# Altium PCB AMS_A2_Sample.PcbDoc (part 2 of 2) (continued)
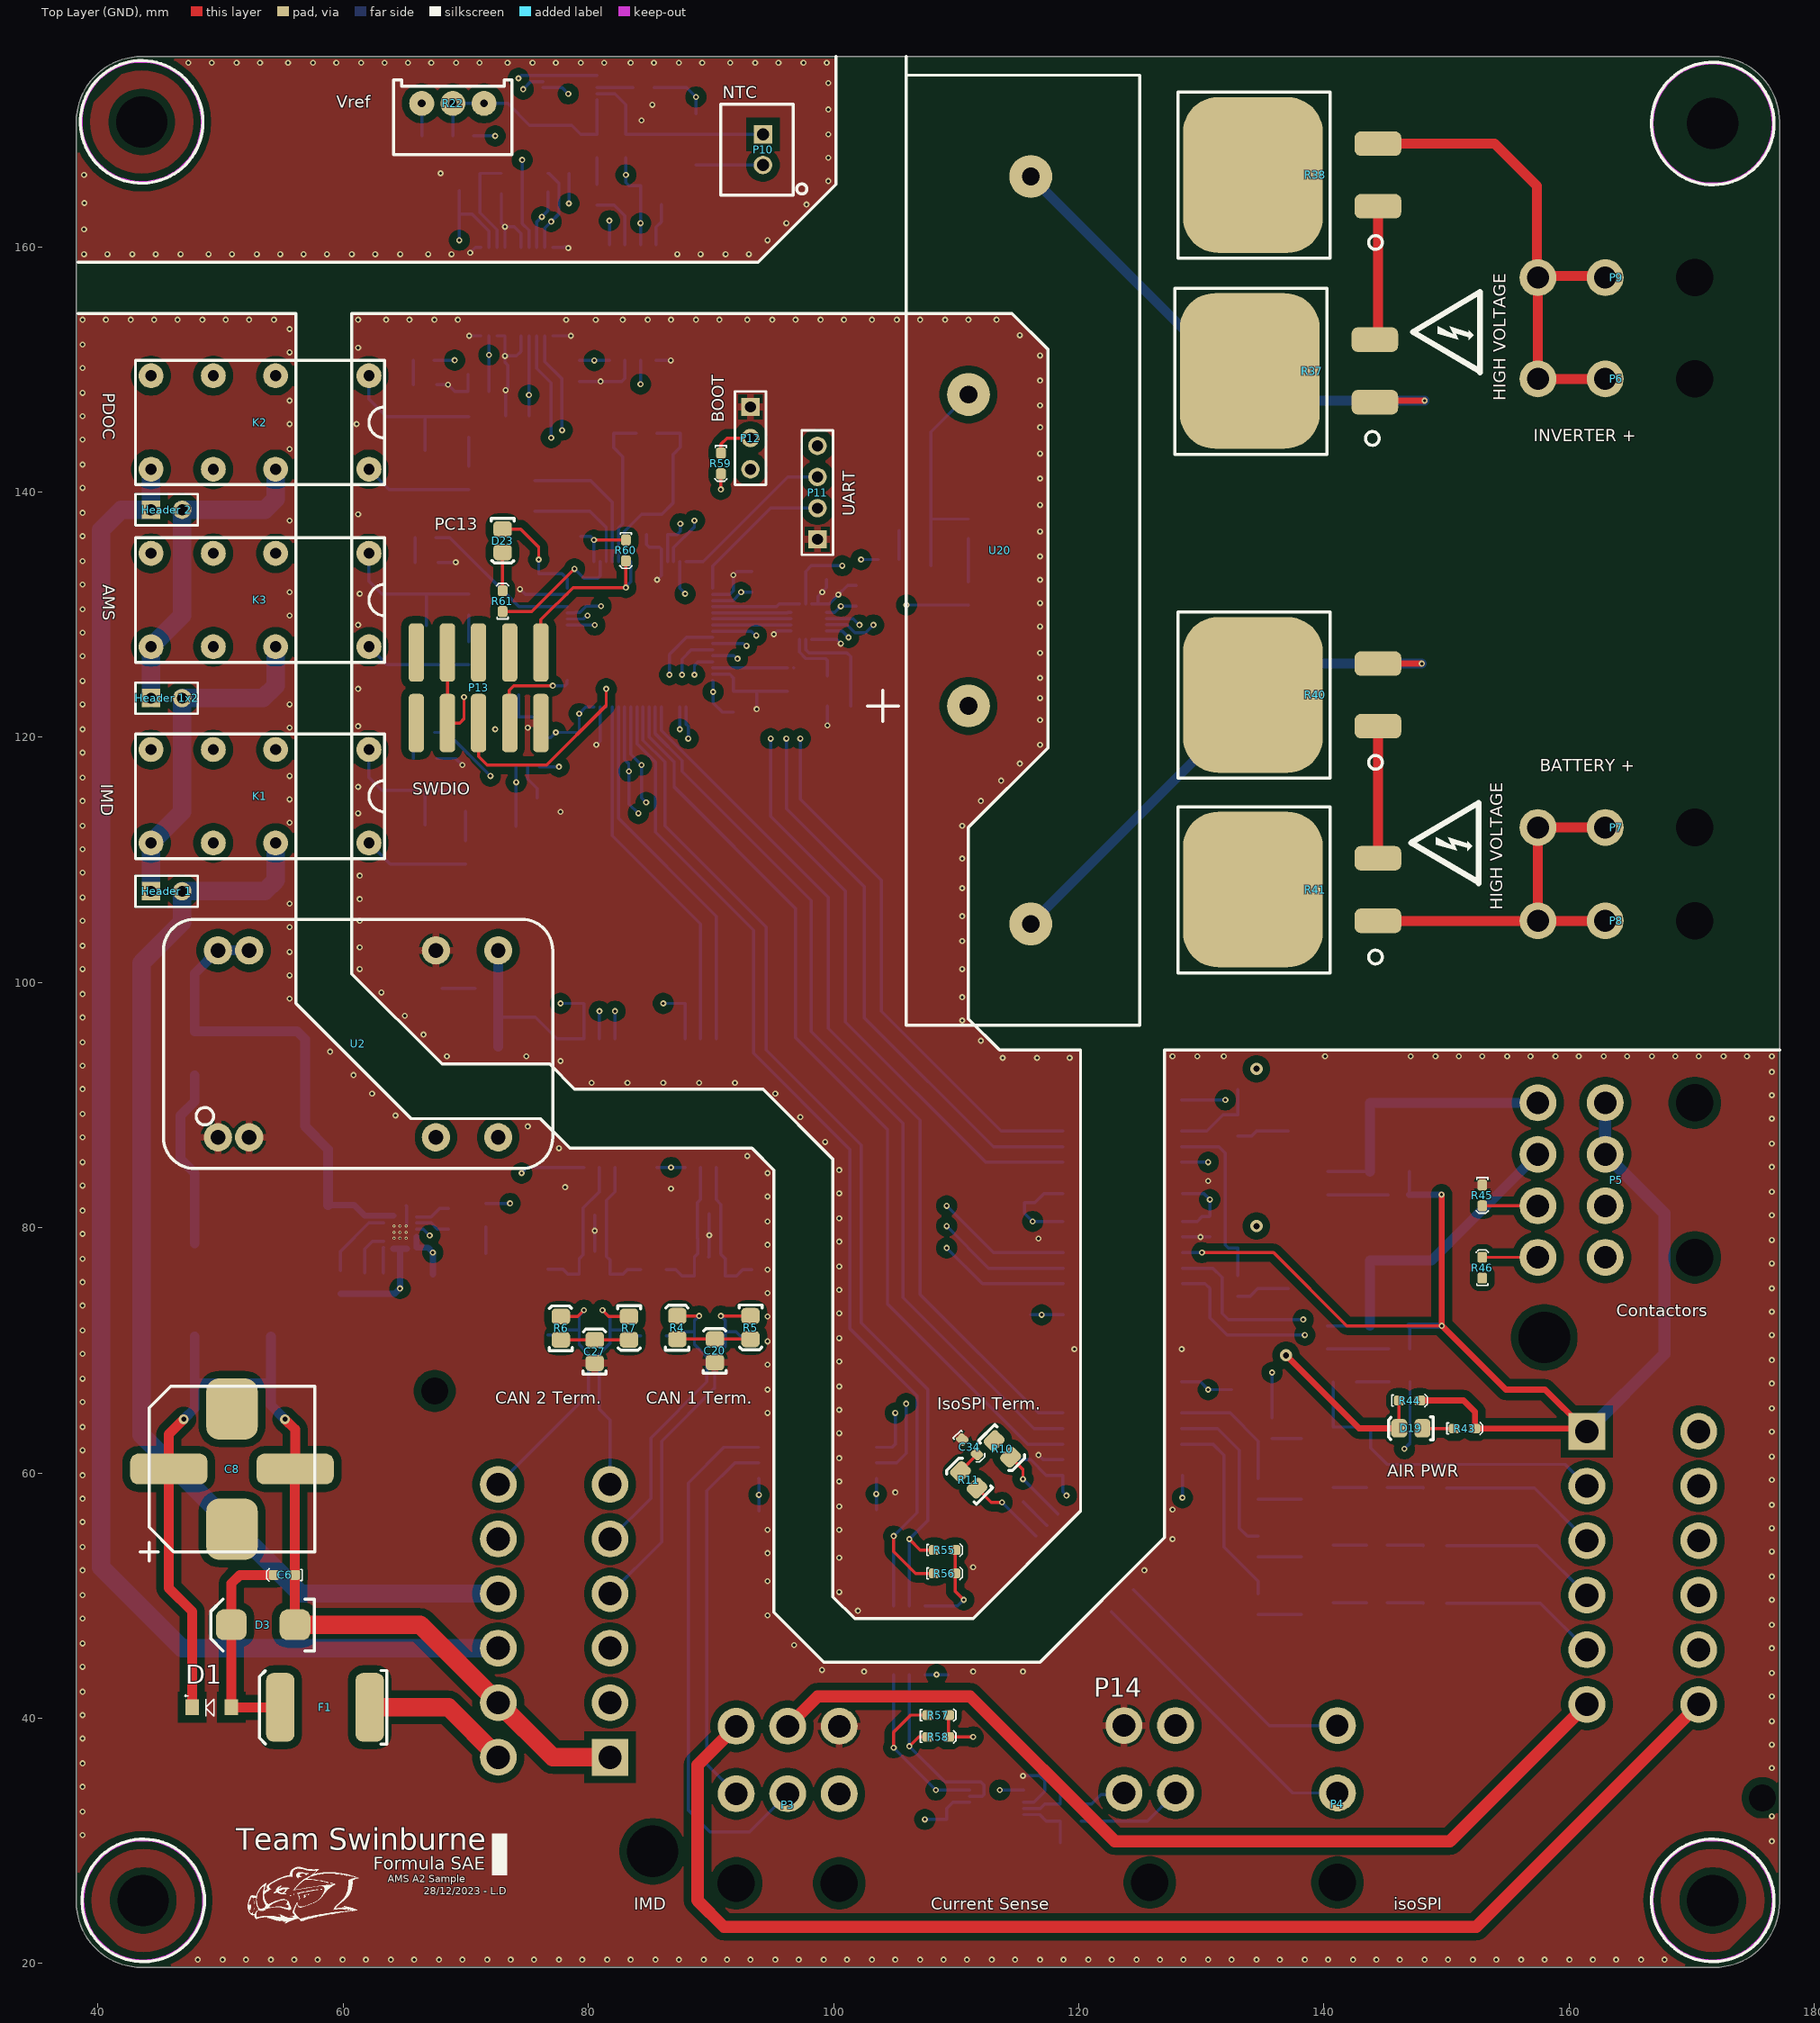
[diagram p0: Top Layer (GND) view]
## Nets (pads, with @x,y where several pads share a name; then routed paths per layer and width w, separated by ;. In a path a pad name is that pad's centre, name@x,y a point inside that pad or via, vN(x,y) a via of type N, cw(c..) or ccw(c..) an arc to the next point about the centre after c; other vN are vias at no path point) (continued)
I2C3_SCL: R56.1 U24.6 U25.41 | length 88.9
  Top Layer (GND) w0.254: v1(104.902,54.864) 104.902,53.594 106.68,51.816 R56.1@108.204,51.816
  Bottom Layer (Signal) w0.254: U25.41@83.951,122.467 83.951,119.491 85.471,117.971 85.471,112.268 93.472,104.267 93.472,94.234 101.346,86.36 101.346,71.755 106.807,66.294 106.807,56.769 v1(104.902,54.864) U24.6@104.902,49.149
I2C3_SDA: R55.1 U24.7 U25.40 | length 86
  Top Layer (GND) w0.254: v1(106.172,54.61) 107.061,53.721 R55.1@108.204,53.721
  Bottom Layer (Signal) w0.254: U25.40@84.451,122.467 84.451,119.765 86.233,117.983 86.233,112.776 94.488,104.521 94.488,94.488 102.235,86.741 102.235,72.263 107.696,66.802 107.696,56.134 v1(106.172,54.61) U24.7@106.172,49.149
IMA: P4.1 U13.3 | length 24.6
  Bottom Layer (Signal) w0.254: U13.3@122.66,48.69 137.441,33.909 P4.1@141.097,33.909
"IMD Data": P3.5 U14.2 | length 30.9
  Bottom Layer (Signal) w0.254: P3.5@92.057,33.843 89.662,36.238 89.662,58.547 91.948,60.833 U14.2@93.879,60.833
"IMD OK": P3.3 U14.3 | length 43.8
  Bottom Layer (Signal) w0.254: U14.3@93.879,62.103 91.059,62.103 88.138,59.182 88.138,32.512 89.916,30.734 93.148,30.734 94.845,32.431 P3.3@96.257,33.843
IPA: P4.2 U13.1 | length 21.2
  Bottom Layer (Signal) w0.254: U13.1@124.456,50.486 135.533,39.409 P4.2@141.097,39.409
isoSPI_N: R11.1 U12.10 U13.14 | length 85.7
  Top Layer (GND) w0.254: R11.1@111.697,58.774 112.86,57.611 v1(113.739,57.611)
  Int1 (Signal) w0.254: v1(102.108,129.159) 103.632,127.635 103.632,96.139 110.998,88.773 110.998,61.595 113.739,58.854 v1(113.739,57.611)
  Bottom Layer (Signal) w0.254: U12.10@99.42,129.675 101.592,129.675 v1(102.108,129.159) ; v1(113.739,57.611) U13.14@116.508,54.842
isoSPI_P: R10.2 U12.11 U13.16 | length 86
  Top Layer (GND) w0.254: R10.2@114.437,61.294 115.443,60.288 v1(115.443,59.499)
  Int1 (Signal) w0.254: v1(103.251,129.159) 104.775,127.635 104.775,96.393 111.887,89.281 111.887,61.976 114.364,59.499 v1(115.443,59.499)
  Bottom Layer (Signal) w0.254: U12.11@99.42,129.175 101.076,129.175 101.727,128.524 102.616,128.524 v1(103.251,129.159) ; v1@115.443,59.563 v1(115.443,59.499) U13.16@118.304,56.638
L_REF: P14.1 R54.1 | length 8.6
  Bottom Layer (Signal) w0.254: R54.1@120.191,31.623 125.603,31.623 P14.1@127.889,33.909
LOW_REF: C53.2 R54.2 U23.5 | length 5
  Bottom Layer (Signal) w0.254: U23.5@115.484,32.147 116.824,32.147 117.348,31.623 R54.2@118.491,31.623 C53.2@118.491,29.845
NetC3_2: C3.2 L1.2 U3.2 | length 14.6
  Bottom Layer (Signal) w0.8: U3.2@47.879,78.74 47.879,84.455 46.736,85.598 46.736,89.154 47.879,90.297 L1.2@47.879,92.434
NetC6_2: C6.2 D1.A D3.K F1.2 | length 17.9
  Top Layer (GND) w0.254: D1.A@50.867,40.903 D1.A@50.876,40.894
  Top Layer (GND) w0.8: D1.A@50.867,40.903 D3.K@50.867,47.625 50.867,50.994 51.562,51.689 C6.2@54.356,51.689 ; D1.A@50.876,40.894 F1.2@54.864,40.894
NetC11_1: C11.1 U4.2 | length 2.8
  Bottom Layer (Signal) w0.254: U4.2@65.985,80.387 67.187,80.387 67.683,79.891 C11.1@68.58,79.891
NetC11_2: C11.2 U4.1 | length 2.9
  Bottom Layer (Signal) w0.254: U4.1@65.985,80.887 67.171,80.887 67.875,81.591 C11.2@68.58,81.591
NetC16_2: C16.2 U4.13 | length 6
  Bottom Layer (Signal) w0.254: C16.2@59.791,76.511 59.791,78.079 62.099,80.387 U4.13@63.285,80.387
NetC17_2: C17.2 U4.10 | length 3.7
  Bottom Layer (Signal) w0.254: C17.2@61.756,76.311 61.756,78.266 62.377,78.887 U4.10@63.285,78.887
NetC20_2: C20.2 R4.1 R5.2 | length 6
  Top Layer (GND) w0.254: R4.1@87.249,70.915 C20.2@90.323,70.915 R5.2@93.218,70.915
NetC23_2: C23.2 U6.6 U7.3 U8.1 | length 11.6
  Bottom Layer (Signal) w0.254: U6.6@90.424,84.92 90.424,82.296 90.805,81.915 U8.1@90.805,79.121 90.805,77.851 91.146,77.51 U7.3@91.146,76.073 92.075,76.073 92.573,76.571 C23.2@93.345,76.571
NetC24_2: C24.2 U6.7 U7.4 U8.2 | length 11.6
  Bottom Layer (Signal) w0.254: C24.2@86.36,76.571 87.132,76.571 87.63,76.073 U7.4@88.646,76.073 88.646,77.597 88.905,77.856 U8.2@88.905,79.121 88.9,79.126 88.9,82.042 89.154,82.296 U6.7@89.154,84.92
NetC27_2: C27.2 R6.1 R7.2 | length 5.6
  Top Layer (GND) w0.254: R6.1@77.75,70.866 C27.2@80.518,70.866 R7.2@83.312,70.866
NetC30_2: C30.2 U9.6 U10.3 U11.1 | length 11.8
  Bottom Layer (Signal) w0.254: U9.6@82.169,84.92 82.169,82.931 81.468,82.23 U11.1@81.468,79.01 81.468,77.663 81.748,77.383 U10.3@81.748,76.2 82.804,76.2 83.175,76.571 C30.2@84.269,76.571
NetC31_2: C31.2 U9.7 U10.4 U11.2 | length 12.1
  Bottom Layer (Signal) w0.254: C31.2@76.708,76.63 77.929,76.63 78.359,76.2 U10.4@79.248,76.2 79.248,77.47 79.568,77.79 U11.2@79.568,79.01 79.568,81.6 80.899,82.931 U9.7@80.899,84.92
NetC34_2: C34.2 R11.2 | length 2
  Top Layer (GND) w0.254: R11.2@110.353,60.118 110.353,60.157 111.692,61.496 C34.2@111.692,61.536
NetC35_2: C35.2 U13.15 | length 2.8
  Bottom Layer (Signal) w0.254: C35.2@115.443,57.658 115.466,57.658 117.384,55.74 U13.15@117.406,55.74
NetC39_2: C39.2 P10.2 R18.1 U16.4 U17.4 | length 16.3
  Bottom Layer (Signal) w0.254: U17.4@80.696,172.474 82.161,172.474 83.058,171.577 U16.4@83.058,169.159 83.061,169.161 86.357,169.161 C39.2@86.36,169.164 R18.1@88.773,169.164 P10.2@94.234,169.164
NetC42_2: C42.2 R21.1 R22.1 R22.2 U16.3 U17.5 | length 18.3
  Bottom Layer (Signal) w0.254: R21.1@68.944,169.037 R22.2@68.944,171.687 R22.1@71.484,171.687 73.423,171.687 75.201,169.909 C42.2@77.851,169.909 78.63,169.909 79.38,169.159 U16.3@80.696,169.159 U17.5@80.696,171.974
NetC63_2: C63.2 C64.2 U25.30 | length 6.1
  Bottom Layer (Signal) w0.254: U25.30@90.131,125.647 90.133,125.649 96.237,125.649 C63.2@96.24,125.652 ; C63.2@96.745,125.649 C63.2@96.748,125.652
NetD2_K: D2.K R1.2 | length 2.7
  Bottom Layer (Signal) w0.254: R1.2@68.072,99.542 D2.K@70.744,99.542
NetD4_K: D4.K R3.2 | length 2.2
  Bottom Layer (Signal) w0.254: R3.2@71.642,77.908 D4.K@71.642,80.088
NetD5_K: D5.K R12.2 | length 2.4
  Bottom Layer (Signal) w0.254: D5.K@69.995,111.555 R12.2@69.995,113.967
NetD6_A: D6.A K1.1 Q1.D R12.1 | length 13.4
  Bottom Layer (Signal) w0.254: K1.1@62.103,118.999 62.103,116.713 63.149,115.667 Q1.D@66.675,115.667 ; D6.A@66.675,112.852 Q1.D@66.675,115.667 ; R12.1@69.995,115.667 Q1.D@66.675,115.667
NetD7_K: D7.K R14.2 | length 2.3
  Bottom Layer (Signal) w0.254: D7.K@70.226,142.108 70.231,142.113 R14.2@70.231,144.447
NetD8_A: D8.A K2.1 Q2.D R14.1 | length 13.4
  Bottom Layer (Signal) w0.254: K2.1@62.103,149.479 62.103,147.574 63.53,146.147 Q2.D@66.675,146.147 ; D8.A@66.675,143.408 Q2.D@66.675,146.147 ; R14.1@70.231,146.147 Q2.D@66.675,146.147
NetD9_K: D9.K R16.2 | length 2.2
  Bottom Layer (Signal) w0.254: D9.K@70.226,127.808 R16.2@70.226,129.969
NetD10_A: D10.A K3.1 Q3.D R16.1 | length 13.4
  Bottom Layer (Signal) w0.254: K3.1@62.103,135.001 62.103,132.715 63.149,131.669 Q3.D@66.802,131.669 ; D10.A@66.802,129.108 Q3.D@66.802,131.669 ; R16.1@70.226,131.669 Q3.D@66.802,131.669
NetD14_A: D14.A R28.1 | length 4.9
  Bottom Layer (Signal) w0.254: D14.A@140.309,82.682 R28.1@145.246,82.682
NetD15_A: D15.A R29.1 | length 5
  Bottom Layer (Signal) w0.254: D15.A@140.293,70.109 R29.1@145.288,70.109
NetD16_A: D16.A R30.1 | length 2.7
  Bottom Layer (Signal) w0.254: D16.A@142.646,67.411 142.672,67.437 R30.1@145.315,67.437
NetD17_K: D17.K R39.2 | length 3.5
  Bottom Layer (Signal) w0.254: D17.K@110.972,132.685 110.998,132.712 R39.2@110.998,136.192
NetD18_A: D18.A Q7.D R39.1 U20.3 | length 18.3
  Bottom Layer (Signal) w0.254: D18.A@107.95,133.985 Q7.D@107.95,137.795 ; R39.1@110.998,137.795 Q7.D@107.95,137.795 ; U20.3@110.998,147.955 107.95,144.907 Q7.D@107.95,137.795
NetD19_A: D19.A R43.1 | length 2.6
  Top Layer (GND) w0.254: D19.A@148.028,63.653 148.054,63.627 R43.1@150.622,63.627
NetD20_K: D20.K R47.2 | length 3
  Bottom Layer (Signal) w0.254: R47.2@145.161,49.403 148.085,49.403 D20.K@148.112,49.377
NetD21_K: D21.K R49.2 | length 3
  Bottom Layer (Signal) w0.254: R49.2@145.161,54.102 148.096,54.102 D21.K@148.112,54.086
NetD22_K: D22.K R51.2 | length 3
  Bottom Layer (Signal) w0.254: R51.2@145.161,58.801 148.085,58.801 D22.K@148.112,58.775
NetD23_K: D23.K R61.2 | length 3.1
  Top Layer (GND) w0.254: R61.2@72.999,131.953 D23.K@72.999,135.079
NetP10_1: P10.1 R20.2 | length 5.5
  Bottom Layer (Signal) w0.254: R20.2@88.773,166.673 88.778,166.668 94.23,166.668 P10.1@94.234,166.664
NetQ1_G: Q1.G R13.2 | length 2.1
  Bottom Layer (Signal) w0.254: Q1.G@65.725,118.267 65.731,118.273 65.731,120.39 R13.2@65.737,120.396
NetQ2_G: Q2.G R15.2 | length 2
  Bottom Layer (Signal) w0.254: Q2.G@65.725,148.747 R15.2@65.725,150.749
NetQ3_G: Q3.G R17.2 | length 2
  Bottom Layer (Signal) w0.254: Q3.G@65.852,134.269 R17.2@65.852,136.271
NetQ4_G: Q4.G R31.2 | length 4.3
  Bottom Layer (Signal) w0.254: R31.2@132.969,87.503 134.112,87.503 134.493,87.884 Q4.G@137.096,87.884
NetQ5_G: Q5.G R32.2 | length 4.4
  Bottom Layer (Signal) w0.254: R32.2@132.969,74.422 133.985,74.422 134.592,75.029 Q5.G@137.096,75.029
NetQ6_G: Q6.G R33.2 | length 2.4
  Bottom Layer (Signal) w0.254: R33.2@135.763,62.816 135.769,62.81 138.14,62.81 Q6.G@138.146,62.804
NetQ7_G: Q7.G R42.2 | length 2.4
  Bottom Layer (Signal) w0.254: R42.2@105.332,134.493 105.332,136.827 Q7.G@105.35,136.845
NetQ8_D: Q8.D R47.1 | length 2.7
  Bottom Layer (Signal) w0.254: Q8.D@140.746,49.403 R47.1@143.461,49.403
NetQ8_G: Q8.G R48.2 | length 3.5
  Bottom Layer (Signal) w0.254: R48.2@134.62,48.465 134.626,48.459 138.14,48.459 Q8.G@138.146,48.453
NetQ9_D: Q9.D R49.1 | length 2.7
  Bottom Layer (Signal) w0.254: Q9.D@140.746,54.102 R49.1@143.461,54.102
NetQ9_G: Q9.G R50.2 | length 3.5
  Bottom Layer (Signal) w0.254: R50.2@134.62,53.152 Q9.G@138.146,53.152
NetQ10_D: Q10.D R51.1 | length 2.7
  Bottom Layer (Signal) w0.254: Q10.D@140.746,58.801 R51.1@143.461,58.801
NetQ10_G: Q10.G R52.2 | length 3.5
  Bottom Layer (Signal) w0.254: R52.2@134.62,57.851 Q10.G@138.146,57.851
NetR2_2: R2.2 U4.9 | length 2.1
  Bottom Layer (Signal) w0.254: R2.2@63.246,76.311 63.265,76.331 63.265,78.387 U4.9@63.285,78.387
NetR8_1: R8.1 U12.16 | length 4.9
  Bottom Layer (Signal) w0.254: U12.16@97.22,127.975 97.22,126.935 97.739,126.416 99.346,126.416 99.495,126.267 R8.1@99.495,124.994
NetR8_2: R8.2 R9.1 U12.15 | length 8.8
  Bottom Layer (Signal) w0.254: U12.15@97.72,127.975 97.722,127.973 97.722,127.149 97.998,126.873 101.092,126.873 101.395,126.57 R8.2@101.395,124.994 R9.1@101.395,122.555
NetR19_1: R19.1 U16.1 | length 2.2
  Bottom Layer (Signal) w0.254: R19.1@80.696,165.1 U16.1@80.696,167.259
NetR19_2: R19.2 U15.2 | length 5
  Bottom Layer (Signal) w0.254: R19.2@80.696,163.4 82.091,163.4 82.982,162.509 U15.2@82.982,160.173
NetR22_3: R22.3 R23.2 | length 2.6
  Bottom Layer (Signal) w0.254: R23.2@66.404,169.037 R22.3@66.404,171.687
NetR24_1: R24.1 U17.1 U17.10 U18.19 | length 26.4
  Int1 (Signal) w0.254: v1(74.295,173.736) 74.342,173.689 74.726,173.689 76.962,171.453 v1(76.962,162.052)
  Bottom Layer (Signal) w0.254: v1(74.295,173.736) 74.533,173.974 U17.10@76.296,173.974 U17.1@80.696,173.974 ; U18.19@76.443,159.937 76.443,161.533 v1(76.962,162.052) 77.597,162.687 77.597,165.15 76.758,165.989 R24.1@76.708,165.989
NetR25_1: R25.1 U17.9 U18.18 | length 17.8
  Int1 (Signal) w0.254: v1(74.676,172.847) 76.2,171.323 v1(76.2,162.433)
  Bottom Layer (Signal) w0.254: v1(74.676,172.847) 75.303,173.474 U17.9@76.296,173.474 ; U18.18@75.793,159.937 75.793,162.026 v1(76.2,162.433) 76.708,162.941 R25.1@76.708,164.465
NetR37_1: R37.1 U20.4 | length 43.5
  Top Layer (GND) w0.5: R37.1@144.399,147.447 v1(148.209,147.447)
  Bottom Layer (Signal) w0.8: U20.4@116.078,165.735 134.366,147.447 v1(148.209,147.447)
NetR37_2: R37.2 R38.1 | length 10.8
  Top Layer (GND) w0.8: R37.2@144.399,152.547 R38.1@144.399,163.302
NetR40_1: R40.1 R41.2 | length 10.8
  Top Layer (GND) w0.8: R41.2@144.399,110.129 R40.1@144.399,120.904
NetR40_2: R40.2 U20.1 | length 44.3
  Top Layer (GND) w0.5: R40.2@144.399,126.004 v1(147.975,126.004)
  Bottom Layer (Signal) w0.8: U20.1@116.078,104.775 137.307,126.004 v1(147.975,126.004)
NetR57_1: R57.1 U23.1 U23.10 U24.3 | length 25.3
  Top Layer (GND) w0.254: v1(104.902,37.592) 104.902,38.862 106.299,40.259 R57.1@107.682,40.259
  Int1 (Signal) w0.254: v1(108.347,34.147) v1(113.554,34.147)
  Bottom Layer (Signal) w0.254: U24.3@104.902,43.561 v1(104.902,37.592) v1(108.347,34.147) U23.10@111.084,34.147 ; v1(113.554,34.147) U23.1@115.484,34.147
NetR58_1: R58.1 U23.9 U24.2 | length 17.1
  Top Layer (GND) w0.254: v1(106.172,37.719) 106.934,38.481 R58.1@107.682,38.481
  Bottom Layer (Signal) w0.254: U24.2@106.172,43.561 v1(106.172,37.719) 109.093,34.798 112.014,34.798 112.268,34.544 112.268,33.796 112.119,33.647 U23.9@111.084,33.647
NetR59_2: R59.2 U25.60 | length 19.9
  Top Layer (GND) w0.254: v1(90.805,140.208) R59.2@90.805,141.351
  Int1 (Signal) w0.254: v1(81.029,130.686) 84.712,130.686 90.805,136.779 v1(90.805,140.208)
  Bottom Layer (Signal) w0.254: U25.60@78.271,130.147 78.878,130.147 78.924,130.193 79.313,130.193 79.804,130.683 81.026,130.683 v1(81.029,130.686)
NRST: P13.1 R60.2 U25.7 | length 15.2
  Top Layer (GND) w0.254: P13.1@76.12,126.91 76.12,129.587 78.74,132.207 v1(83.058,132.207) R60.2@83.058,134.384
  Bottom Layer (Signal) w0.254: v1(83.058,132.207) 83.058,132.274 83.451,132.667 U25.7@83.451,134.327
OSC32_IN: C65.2 U25.3 X1.1 | length 9.2
  Bottom Layer (Signal) w0.254: C65.2@75.614,138.45 X1.1@78.359,138.45 80.117,138.45 81.451,137.116 U25.3@81.451,134.327
OSC32_OUT: C66.2 U25.4 X1.2 | length 11.9
  Bottom Layer (Signal) w0.254: C66.2@75.614,140.95 X1.2@78.359,140.95 80.157,140.95 81.951,139.156 U25.4@81.951,134.327
OSC_IN: C67.2 R62.1 U25.5 X2.1 | length 12.8
  Bottom Layer (Signal) w0.254: U25.5@82.451,134.327 82.451,137.061 82.786,137.396 X2.1@82.786,141.097 82.786,142.893 82.042,143.637 C67.2@82.042,144.78 R62.1@83.898,144.78
OSC_OUT: C68.2 R62.2 U25.6 X2.2 | length 15.2
  Bottom Layer (Signal) w0.254: U25.6@82.951,134.327 82.951,136.799 84.328,138.176 85.979,138.176 86.886,139.083 X2.2@86.886,141.097 86.886,143.02 87.503,143.637 C68.2@87.503,144.78 R62.2@85.598,144.78
PC13: R61.1 U25.2 | length 11
  Top Layer (GND) w0.254: R61.1@72.999,130.253 75.389,130.253 v1(78.867,133.731)
  Bottom Layer (Signal) w0.254: v1(78.867,133.731) 79.629,132.969 80.772,132.969 80.951,133.148 U25.2@80.951,134.327
PWR: R48.1 U22.14 | length 16.3
  Bottom Layer (Signal) w0.254: U22.14@128.396,62.357 130.937,62.357 131.826,61.468 131.826,53.975 134.62,51.181 R48.1@134.62,50.165
RDY: R50.1 U22.13 | length 13.6
  Bottom Layer (Signal) w0.254: U22.13@128.396,63.627 131.318,63.627 133.096,61.849 133.096,55.521 133.765,54.852 R50.1@134.62,54.852
SWCLK: P13.4 U25.49 | length 7.9
  Top Layer (GND) w0.254: P13.4@73.58,121.16 73.533,121.207 73.533,123.825 73.914,124.206 v1(77.089,124.206)
  Bottom Layer (Signal) w0.254: v1(77.089,124.206) 78.105,124.206 78.232,124.333 78.232,124.608 U25.49@78.271,124.647
SWDIO: P13.6 U25.46 | length 18.3
  Top Layer (GND) w0.254: P13.6@71.04,121.16 71.04,118.444 71.755,117.729 76.581,117.729 81.451,122.599 v1(81.451,123.952)
  Bottom Layer (Signal) w0.254: U25.46@81.451,122.467 v1(81.451,123.952)
UART_RX: P11.2 U25.17 | length 12.3
  Bottom Layer (Signal) w0.254: U25.17@90.131,132.147 90.131,133.946 94.869,138.684 P11.2@98.679,138.684
UART_TX: P11.3 U25.16 | length 13.6
  Bottom Layer (Signal) w0.254: U25.16@87.951,134.327 89.369,134.327 96.266,141.224 P11.3@98.679,141.224
V_SEL: R26.1 R27.2 U18.13 | length 8.4
  Bottom Layer (Signal) w0.254: U18.13@72.543,159.937 72.543,161.391 71.169,162.765 R27.2@71.169,165.989 R26.1@72.898,165.989
VBAT_D: C7.2 C8.2 D1.K U3.1 | length 34.2
  Top Layer (GND) w0.8: v4(46.99,64.389) 45.777,63.176 C8.2@45.777,60.325 45.777,50.616 47.676,48.717 D1.K@47.676,40.894
  Bottom Layer (Signal) w0.8: v4(46.99,64.389) 47.879,65.278 47.879,67.31 ; U3.1@47.879,71.12 47.879,67.31 ; C7.2@50.165,67.31 47.879,67.31
VBAT_F: C4.2 C5.2 C9.2 L1.1 U2.22 U2.23 U4.14 U4.15 | length 39.3
  Bottom Layer (Signal) w0.254: C4.2@52.324,96.135 C4.2@52.425,96.034
  Bottom Layer (Signal) w0.5: C9.2@58.775,81.845 60.903,81.845 61.761,80.987 U4.15@64.085,80.987
  Bottom Layer (Signal) w0.8: U2.22@52.324,102.616 U2.23@49.784,102.616 47.879,100.711 L1.1@47.879,96.034 C4.2@52.425,96.034 C5.2@55.118,96.034 56.239,96.034 56.896,95.377 56.896,88.265 58.775,86.386 C9.2@58.775,81.845
VDD_PDOC: C40.2 C41.2 C43.2 C44.1 C45.1 C46.2 C47.2 R18.2 R21.2 R24.2 R25.2 R26.2 U15.1 U15.3 U16.5 U17.8 U18.12 U18.17 | length 37.4
  Bottom Layer (Signal) w0.254: v1(69.469,160.528) C45.1@69.469,162.661 ; C44.1@69.469,164.592 C45.1@69.469,162.661 ; R21.2@70.644,169.037 v1(72.39,169.037) ; U18.12@71.893,159.937 71.893,161.279 70.511,162.661 C45.1@69.469,162.661 ; v1(74.598,167.083) R26.2@74.598,165.989 C47.2@74.598,164.338 C46.2@74.598,162.814 74.598,161.876 75.143,161.331 U18.17@75.143,159.937 ; U17.8@76.296,172.974 77.851,172.974 v1(78.359,172.466) ; v1(78.408,163.527) R25.2@78.408,164.465 R24.2@78.408,165.989 ; U15.1@81.712,160.173 v1(81.712,162.128) ; U16.5@83.058,167.259 v1(83.058,165.862) 83.058,165.227 83.312,164.973 C41.2@84.252,164.973 C40.2@84.252,163.449 v1(84.252,161.925) U15.3@84.252,160.173 ; C43.2@85.344,172.974 88.011,172.974 v1(88.773,172.212) R18.2@88.773,170.864
pads on no net: C8.0 K1.4 K1.6 K1.8 K1.11 K2.4 K2.6 K2.8 K2.11 K3.4 K3.6 K3.8 K3.11 P1.2 P1.3 P1.5@67.461,66.69 P1.5@85.241,29.149 P1.8 P2.5@157.964,71.059 P2.5@175.744,33.518 P2.8 P2.9 P2.10 P2.11 P2.12 P3. P4. P5. P6. P7. P8. P9. P13.3 P13.5 P13.9 P13.10 P14. R10.1 R37. R38. R40. R41. R46.1 U2.9 U2.11 U4.11 U4.12 U5.4 U12.17 U13.2 U13.4 U13.5 U13.6 U13.7 U13.8 U13.9 U13.10 U13.11 U13.12 U13.13 U17.2 U17.6 U17.7 U18.6 U18.15 U19.6 U19.7 U19.11 U21.6 U21.7 U21.11 U22.6 U22.7 U22.11 U23.2 U23.6 U23.7 U25.8 U25.9 U25.10 U25.11 U25.35 U25.36 U25.50 U25.51 U25.52 U25.53 U25.54 U25.55 U25.56 U25.57 U25.62

## Polygon pours and split planes (outlines as drawn)
0V on Bottom Layer (Signal) "0V" (solid, pour order 21): 38.354,154.432 56.007,154.432 56.007,98.425 65.532,88.9 76.073,88.9 78.486,86.487 93.345,86.487 95.123,84.709 95.123,48.641 99.187,44.577 116.84,44.577 127,54.737 127,94.488 177.038,94.488 177.038,25.146 171.704,19.812 43.307,19.812 38.354,24.765 38.354,26.416
GND_PDOC on Bottom Layer (Signal) "GND" (solid, pour order 7): 100.076,175.387 100.076,165.1 93.853,158.877 38.354,158.877 38.354,170.561 43.18,175.387
"0V (ISO)" on Bottom Layer (Signal) "0V (ISO)" (solid, pour order 16): 60.833,154.432 60.833,100.838 68.199,93.472 76.835,93.472 78.867,91.44 94.234,91.44 100.076,85.598 100.076,49.911 101.727,48.26 111.379,48.26 120.015,56.896 120.015,94.361 113.538,94.361 110.871,97.028 110.871,112.649 117.348,119.126 117.348,151.638 114.554,154.432 62.484,154.432
GLV- on Bottom Layer (Signal) "5V_TOP_1" (solid, pour order 14): 135.763,78.712 135.001,79.474 132.715,79.474 132.461,79.728 132.461,80.49 132.715,80.744 138.557,80.744 138.811,80.49 138.811,78.966 138.557,78.712
GLV- on Bottom Layer (Signal) "5V_TOP_1" (solid, pour order 13): 135.763,91.567 135.001,92.329 132.715,92.329 132.461,92.583 132.461,93.345 132.715,93.599 138.557,93.599 138.811,93.345 138.811,91.821 138.557,91.567
"5V (ISO)" on Bottom Layer (Signal) "5V" (solid, pour order 2): 70.612,110.236 65.024,110.236 62.738,112.522 61.214,112.522 60.96,112.268 60.96,110.49 62.357,109.093 70.612,109.093
"5V (ISO)" on Bottom Layer (Signal) "5V" (solid, pour order 1): 70.612,126.492 64.77,126.492 62.738,128.524 61.214,128.524 60.96,128.27 60.96,126.492 62.103,125.349 70.612,125.349
"5V (ISO)" on Bottom Layer (Signal) "5V" (solid, pour order 0): 70.612,140.716 65.024,140.716 62.738,143.002 61.214,143.002 60.96,142.748 60.96,140.97 62.357,139.573 70.612,139.573
VDD_PDOC on Int3 (PWR) "PWR" (solid, pour order 17): 100.071,175.328 100.071,165.041 93.848,158.818 38.349,158.818 38.349,170.502 43.175,175.328
5V on Int3 (PWR) "5V" (solid, pour order 25): 38.354,154.432 56.007,154.432 56.007,98.425 65.532,88.9 76.073,88.9 78.486,86.487 93.345,86.487 95.123,84.709 95.123,48.641 99.187,44.577 116.84,44.577 127,54.737 127,94.488 177.038,94.488 177.038,25.146 171.704,19.812 43.307,19.812 38.354,24.765 38.354,26.416
"5V (ISO)" on Int3 (PWR) "5V ISO" (solid, pour order 22): 60.833,154.432 60.833,100.711 68.072,93.472 76.835,93.472 78.867,91.44 94.234,91.44 100.076,85.598 100.076,49.911 101.727,48.26 111.379,48.26 120.015,56.896 120.015,94.361 113.538,94.361 110.871,97.028 110.871,112.649 117.348,119.126 117.348,151.638 114.554,154.432 62.484,154.432
"3V3 (ISO)" on Int3 (PWR) "3V3 ISO" (solid, pour order 10): 86.995,143.002 94.615,143.002 96.901,145.288 100.076,145.288 100.33,145.034 100.33,135.509 92.456,127.635 92.456,124.079 87.376,118.999 71.628,118.999 69.215,121.412 69.215,131.191 74.676,136.652 80.772,136.652
GND_PDOC on Int4 (GND) "GND" (solid, pour order 8): 100.076,175.387 100.076,165.1 93.853,158.877 38.354,158.877 38.354,170.561 43.18,175.387
0V on Int4 (GND) "0V" (solid, pour order 23): 38.354,154.432 56.007,154.432 56.007,98.425 65.532,88.9 76.073,88.9 78.486,86.487 93.345,86.487 95.123,84.709 95.123,48.641 99.187,44.577 116.84,44.577 127,54.737 127,94.488 177.038,94.488 177.038,25.146 171.704,19.812 43.307,19.812 38.354,24.765 38.354,26.416
"0V (ISO)" on Int4 (GND) "0V (ISO)" (solid, pour order 3): 60.833,154.432 60.833,100.965 68.326,93.472 76.835,93.472 78.867,91.44 94.234,91.44 100.076,85.598 100.076,49.911 101.727,48.26 111.379,48.26 120.015,56.896 120.015,94.361 113.538,94.361 110.871,97.028 110.871,112.649 117.348,119.126 117.348,151.638 114.554,154.432 62.484,154.432
GND_PDOC on Int2 (GND) "GND" (solid, pour order 11): 100.071,175.328 100.071,165.041 93.848,158.818 38.349,158.818 38.349,170.502 43.175,175.328
0V on Int2 (GND) "0V" (solid, pour order 20): 38.354,154.432 56.007,154.432 56.007,98.425 65.532,88.9 76.073,88.9 78.486,86.487 93.345,86.487 95.123,84.709 95.123,48.641 99.187,44.577 116.84,44.577 127,54.737 127,94.488 177.038,94.488 177.038,25.146 171.704,19.812 43.307,19.812 38.354,24.765 38.354,26.416
"0V (ISO)" on Int2 (GND) "0V (ISO)" (solid, pour order 6): 60.833,154.432 60.833,100.711 68.072,93.472 76.835,93.472 78.867,91.44 94.234,91.44 100.076,85.598 100.076,49.911 101.727,48.26 111.379,48.26 120.015,56.896 120.015,94.361 113.538,94.361 110.871,97.028 110.871,112.649 117.348,119.126 117.348,151.638 114.554,154.432 62.484,154.432
0V on Top Layer (GND) "0V" (solid, pour order 19): 38.354,154.432 56.007,154.432 56.007,98.425 65.532,88.9 76.073,88.9 78.486,86.487 93.345,86.487 95.123,84.709 95.123,48.641 99.187,44.577 116.84,44.577 127,54.737 127,94.488 177.038,94.488 177.038,25.146 171.704,19.812 43.307,19.812 38.354,24.765 38.354,26.416
GND_PDOC on Top Layer (GND) "GND" (solid, pour order 9): 100.071,175.316 100.071,165.029 93.848,158.806 38.349,158.806 38.349,170.49 43.175,175.316
"0V (ISO)" on Top Layer (GND) "0V (ISO)" (solid, pour order 15): 60.833,154.432 60.833,100.711 68.072,93.472 76.835,93.472 78.867,91.44 94.234,91.44 100.076,85.598 100.076,49.911 101.727,48.26 111.379,48.26 120.015,56.896 120.015,94.361 113.538,94.361 110.871,97.028 110.871,112.649 117.348,119.126 117.348,151.638 114.554,154.432 62.484,154.432
GND_PDOC on Int1 (Signal) "GND" (solid, pour order 12): 100.071,175.328 100.071,165.041 93.848,158.818 38.349,158.818 38.349,170.502 43.175,175.328
0V on Int1 (Signal) "0V" (solid, pour order 24): 38.354,154.432 56.007,154.432 56.007,98.425 65.532,88.9 76.073,88.9 78.486,86.487 93.345,86.487 95.123,84.709 95.123,48.641 99.187,44.577 116.84,44.577 127,54.737 127,94.488 177.038,94.488 177.038,25.146 171.704,19.812 43.307,19.812 38.354,24.765 38.354,26.416
"0V (ISO)" on Int1 (Signal) "0V (ISO)" (solid, pour order 18): 60.833,154.432 60.833,100.711 68.072,93.472 76.835,93.472 78.867,91.44 94.234,91.44 100.076,85.598 100.076,49.911 101.727,48.26 111.379,48.26 120.015,56.896 120.015,94.361 113.538,94.361 110.871,97.028 110.871,112.649 117.348,119.126 117.348,151.638 114.554,154.432 62.484,154.432

## Keep-outs
Bottom Layer (Signal):
  region: 75.57,136.652 73.279,136.652 72.136,137.795 72.136,141.859 73.279,143.002 78.613,143.002 80.137,144.526 80.137,147.066 81.026,147.955 88.646,147.955 89.281,147.32 89.281,140.081 87.24,138.04 87.231,138.049 86.868,138.049 88.9,140.081 88.9,147.193 88.519,147.574 81.407,147.574 80.645,146.812 80.645,144.145 78.994,142.494 73.533,142.494 72.771,141.732 72.771,137.922 73.66,137.033 75.562,137.033
Keep-Out Layer:
  circle w0.254: c171.704,170.053 r4.94
  circle w0.254: c43.688,25.146 r4.94
  circle w0.254: c43.561,170.18 r4.94
  circle w0.254: c171.704,25.146 r4.94

## Silkscreen, mask and mechanical layers (free items; w line width, h text height)
Top Overlay:
  drawing of 72 lines, arcs and shapes, not listed
  text "NTC" at 90.932,172.085 h1
  text "Vref" at 59.436,171.323 h1
  text "PDOC" at 40.386,148.082 h1 r270
  text "HIGH VOLTAGE" at 154.813,147.447 h1 r90
  text "BOOT" at 91.059,145.669 h1 r90
  text "INVERTER +" at 157.099,144.145 h1
  text "UART" at 101.727,138.049 h1 r90
  text "PC13" at 67.437,136.906 h1
  text "AMS" at 40.386,132.461 h1 r270
  text "BATTERY +" at 157.607,117.221 h1
  text "IMD" at 40.259,116.205 h1 r270
  text "SWDIO" at 65.659,115.316 h1
  text "HIGH VOLTAGE" at 154.559,105.918 h1 r90
  text "Contactors" at 163.83,72.771 h1
  text "CAN 2 Term." at 72.39,65.659 h1
  text "CAN 1 Term." at 84.709,65.659 h1
  text "IsoSPI Term." at 108.458,65.151 h1
  text "AIR PWR" at 145.161,59.69 h1
  text "Team Swinburne" at 51.273,28.675 h3.05
  text "Formula SAE" at 62.449,27.278 h1.78
  text "AMS A2 Sample" at 63.623,26.389 h1.02
  text "28/12/2023 - L.D" at 66.548,25.4 h1.02
  text "IMD" at 83.693,24.384 h1
  text "Current Sense" at 107.95,24.384 h1
  text "isoSPI" at 145.669,24.384 h1
Bottom Overlay:
  circle w0.254: c171.704,170.053 r5
  circle w0.254: c43.688,25.146 r5
  circle w0.254: c43.561,170.18 r5
  circle w0.254: c171.704,25.146 r5
  lines w0.254: 38.354,154.559 56.134,154.559 56.134,98.298 65.532,88.9 76.073,88.9 78.486,86.487 93.345,86.487 95.123,84.709 95.123,48.641 99.187,44.577 116.84,44.577 127,54.737 127,92.456 127,94.488 177.165,94.488 ; 38.354,158.75 93.853,158.75 100.203,165.1 100.203,175.514 ; 60.706,100.711 60.706,154.051 60.706,154.559 97.409,154.559 114.554,154.559 117.475,151.638 117.475,119.126 110.998,112.649 110.998,97.028 113.538,94.488 120.142,94.488 120.142,92.456 120.142,56.896 111.379,48.133 101.727,48.133 99.949,49.911 99.949,83.566 99.949,85.598 94.234,91.313 78.867,91.313 76.835,93.345 68.072,93.345 60.706,100.711
Mechanical 1:
  lines w0.254: 38.227,25.019 ccw(c43.561,25.019) 43.561,19.685 167.259,19.685 171.831,19.685 ccw(c171.831,25.019) 177.165,25.019 177.165,29.464 177.165,170.18 ccw(c171.831,170.18) 171.831,175.514 112.903,175.514 49.657,175.514 43.561,175.514 ccw(c43.561,170.18) 38.227,170.18 38.227,164.084 38.227,51.435 38.227,25.019